# Altium PCB radxa_nx4_io_board_v1.11.PcbDoc (part 10 of 13) (continued)
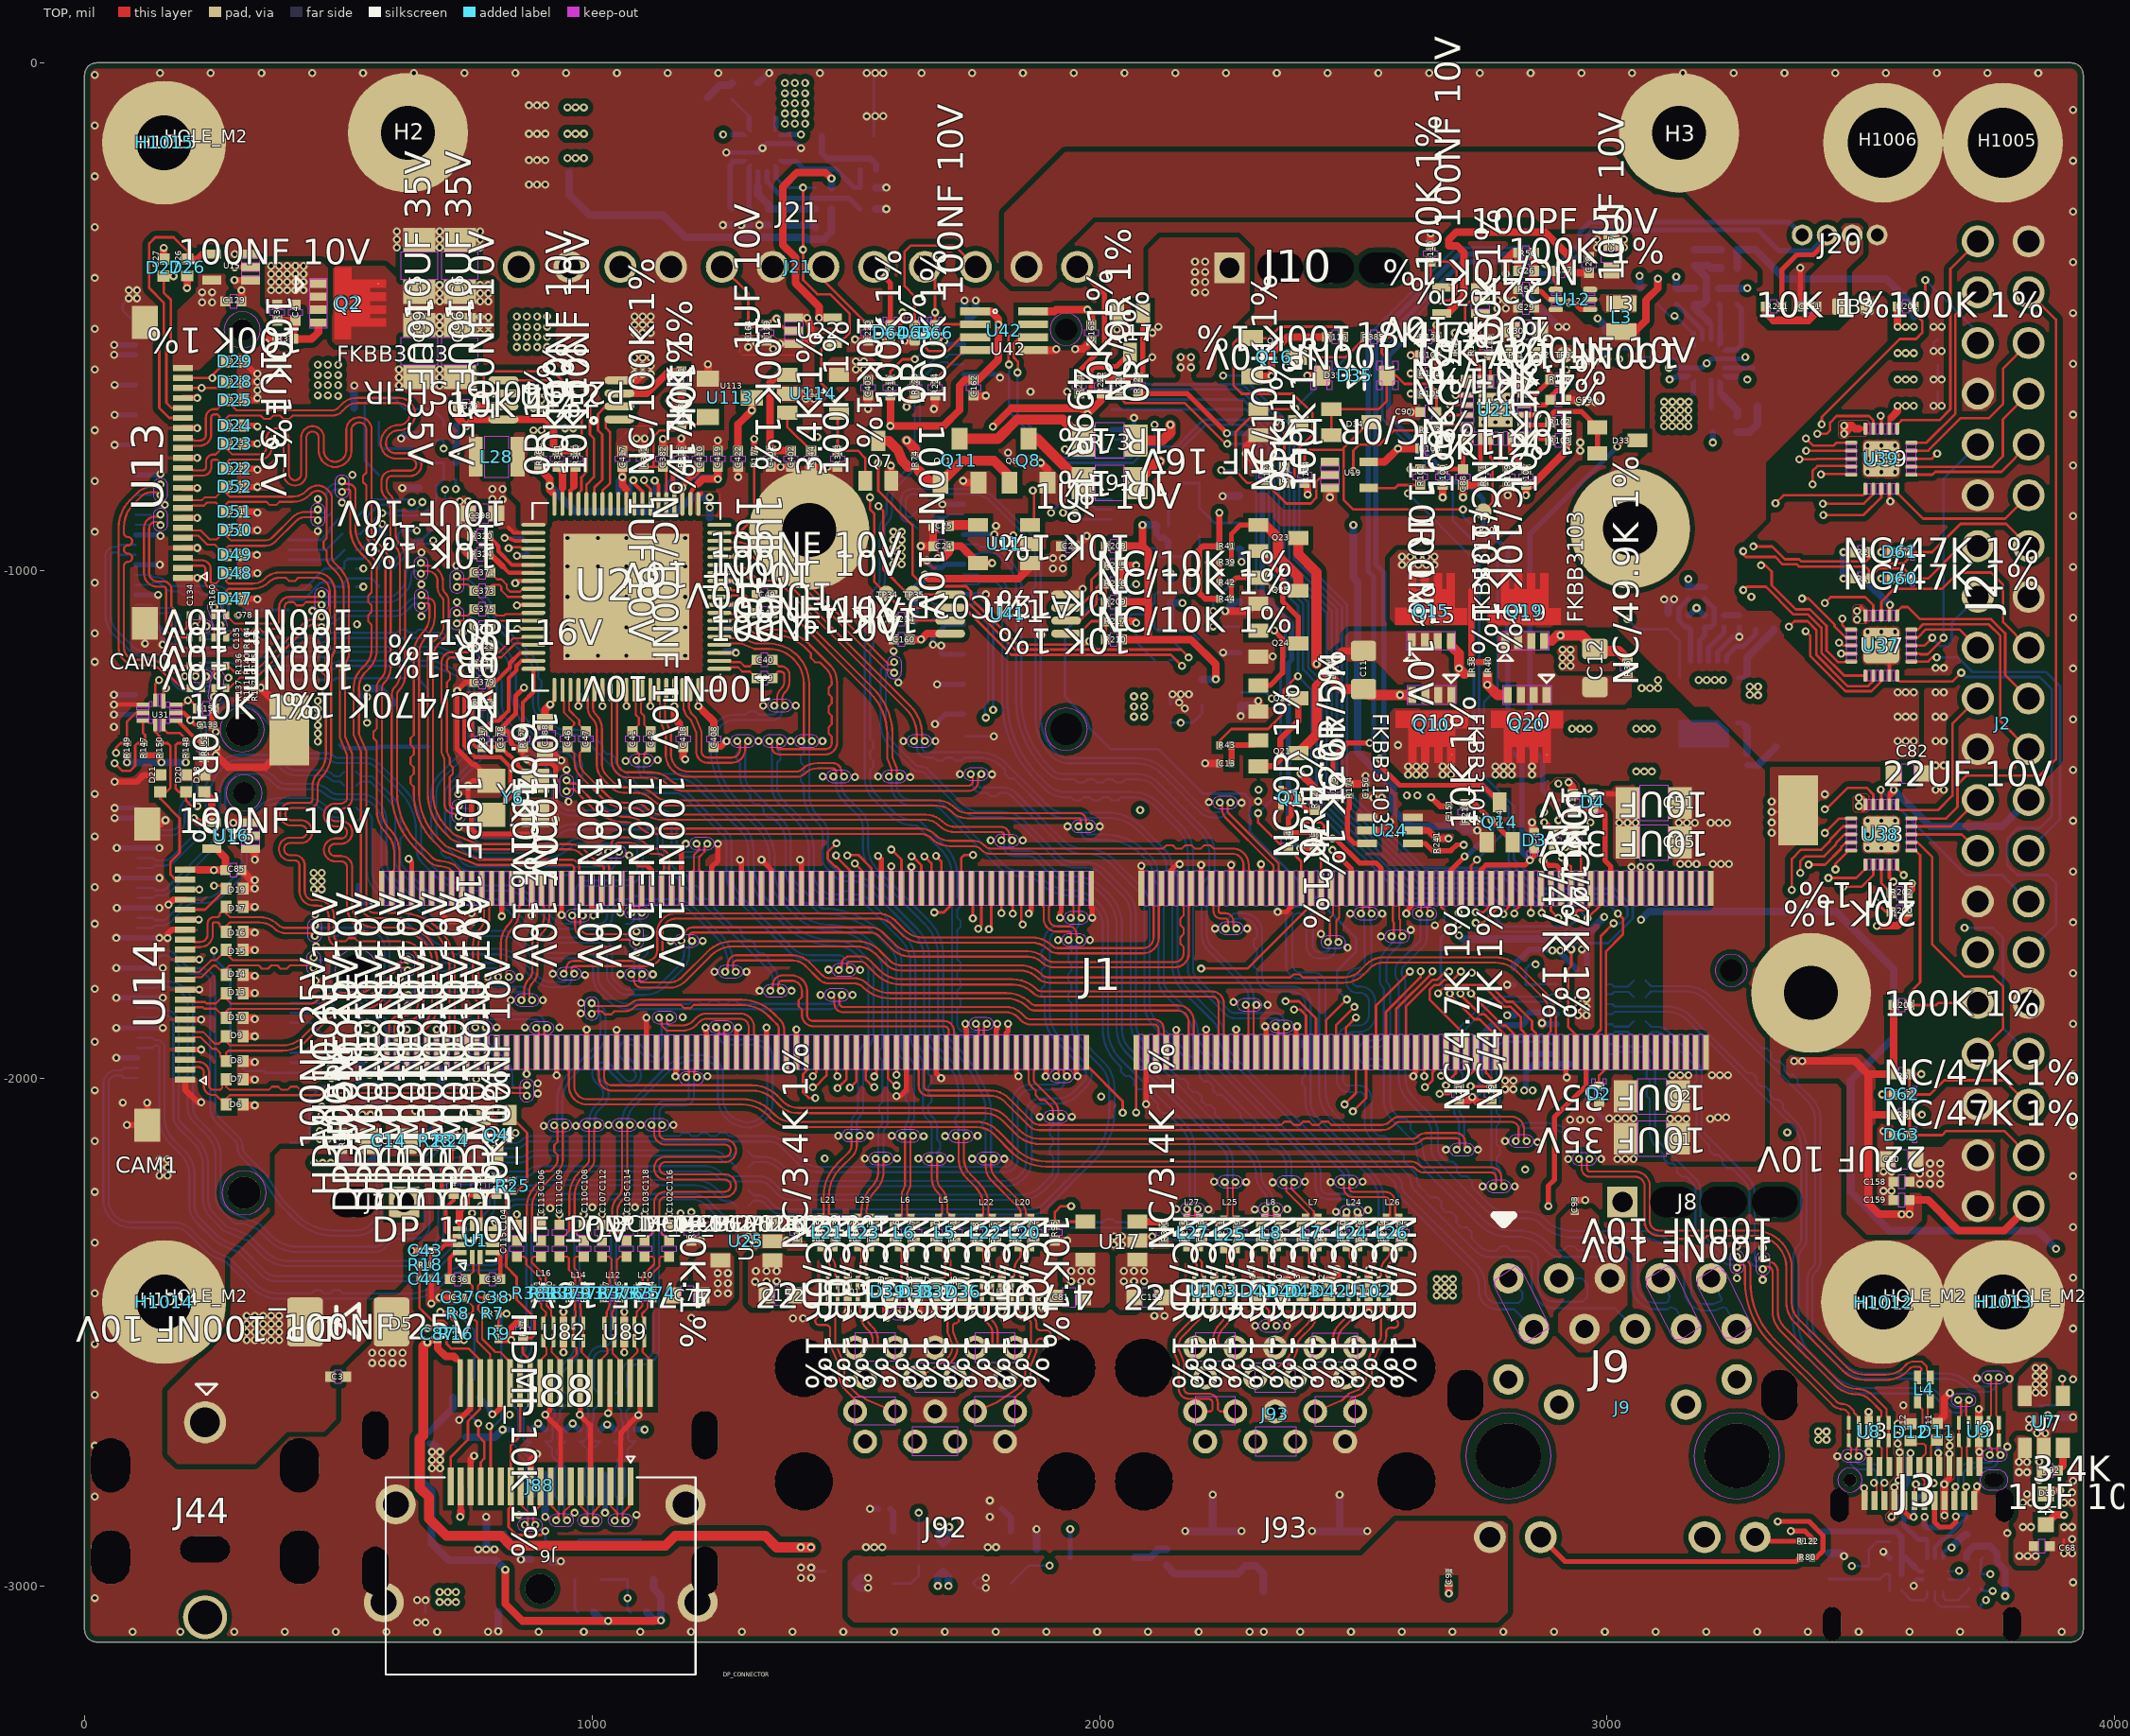
[diagram p0: TOP view]
## Nets (pads, with @x,y where several pads share a name; then routed paths per layer and width w, separated by ;. In a path a pad name is that pad's centre, name@x,y a point inside that pad or via, vN(x,y) a via of type N, cw(c..) or ccw(c..) an arc to the next point about the centre after c; other vN are vias at no path point) (continued)
  ART03 w15: v1(1136,-3068) 1136,-2979.78 1211.89,-2903.89 1251.89,-2903.89 1372,-3024 1448,-3024 1524,-2948 1620,-2948 v1(1684,-2884) v1(1704,-2884)
  BOTTOM w12: 664.25,-2700.25 668.31,-2696.19 R77.1@680,-2696.19 692.19,-2684
  BOTTOM w15: 664.25,-2700.25 658.62,-2705.88 658.62,-2788 684,-2813.38 684,-2916 717.5,-2949.5 810.9,-2949.5 v1(829.4,-2968) U109.4@829.4,-2995.18 ; 692.19,-2684 726.41,-2649.78 Q9.1@726.41,-2628.63 ; R128.1@1003.75,-3052 1020.71,-3068.96 v1(1032,-3068.96) ; R127.2@1107.75,-3052 1123.75,-3068 v1(1136,-3068) 1136,-3020.01 1121.59,-3005.6 Q6.1@1121.59,-2987.37 ; v1(1684,-2884) 1684,-2908.44 C169.1@1692,-2916.44 1704,-2904.44 v1(1704,-2884)
VDD_3V3_SYS: C19.1 C20.1 C21.1 C23.1 C82.1 C83.1 C84.1 C85.1 C91.2 C92.1 C129.1 C133.1 C145.1 C146.1 C147.1 C148.1 C159.1 C162.1 C422.1 J2.1 J2.17 J9.15 J9.17 J10.1 J15.2 J15.4 J15.72 J15.74 L1.2 R1.1 R2.1 R5.1 R6.1 R19.1 R21.1 R28.1 R47.1 R48.1 R54.1 R73.1 R79.1 R84.1 R138.1 R147.1 R148.1 R149.1 R150.1 R161.1 R162.1 R163.1 R170.1 R171.1 R201.1 R203.1 R219.1 R396.1 U2.5 U10.5 U10.9 U10.20 U11.1 U13.22 U14.22 U15.5 U16.5 U30.5 U31.9 U37.17 U38.17 U39.17 U42.1 U108.5 U113.3 | length 8899.7
  TOP w8: U31.9@180.48,-1280 196,-1280 209,-1293 v1(209,-1295) 218,-1304 C133.1@228.19,-1304 ; U38.17@3555.75,-1460.76 3555.75,-1443.28 3559.99,-1439.04 ; U37.17@3555.75,-1088.76 3555.75,-1069.25 v1(3557,-1068) ; U39.17@3555.75,-720.76 3555.75,-703 3560,-698.75
  TOP w12: v1(84,-1378) R149.1@84,-1363.81 ; R147.1@117,-1363.81 R150.1@148,-1363.81 148,-1374 v1(152,-1378) ; U14.22@198.64,-1589.31 223.31,-1589.31 224,-1590 ; v1(200,-1378) R148.1@200,-1363.81
  TOP w15: 224,-1590 v1(255.41,-1590) C85.1@278.25,-1590 278.25,-1566.25 260.08,-1548.08 U16.5@251.32,-1548.08 ; C422.1@1288,-764.25 1288,-712.06 v1(1315.31,-684.75) U113.3@1315.31,-660 ; R219.1@1588,-655.75 v1(1588,-715.5) 1692.68,-715.5 1724,-684.18 1724,-636 1735.75,-624.25 C162.1@1752,-624.25 1761.55,-624.25 1800.82,-584.98 v1(1800.82,-516) 1800.82,-504.61 1785.82,-489.61 U42.1@1754.91,-489.61 ; v1(1655.93,-1008) 1664,-1016.07 1840.51,-1016.07 U11.1@1871.18,-985.4 ; R21.1@2708,-2047.75 2723.27,-2047.75 v1(2733.98,-2037.04) 2744.69,-2047.75 R19.1@2772,-2047.75 ; v1(3368,-1966.25) v1(3384,-1966.25) 3488,-1966.25 3514.12,-1992.37 ; v1(3465.41,-1016) R1.1@3484.25,-1016 ; v1(3465.41,-964) R2.1@3484.25,-964 ; 3559.99,-1439.04 3564.44,-1434.59 v1(3564.44,-1432) C82.1@3564.44,-1400 ; 3560,-698.75 3572,-686.75 v1(3572,-676) ; R6.1@3564.25,-2072 3514.5,-2072 ; R203.1@3564.25,-1856 R5.1@3564.25,-1992 3514.49,-1992 3514.12,-1992.37 ; v1(3572,-520) 3572,-480.25 R201.1@3572.25,-480 ; J2.1@3830,-2252 3782,-2300 3691.99,-2300 3631.99,-2240 C159.1@3595.75,-2240 v1(3595.75,-2268) v1(3580,-2268) 3536,-2268 3514.5,-2246.5 3514.5,-2072 ; 3514.12,-1992.37 3514.5,-1992.75 3514.5,-2072
  TOP w20: R73.1@2071.18,-744 2124.01,-744 2139.65,-728.36 v1(2139.65,-713.16)
  ART03 w15: 1996,-992 2020,-992 2048,-964 2098.59,-964 v1(2139.75,-1005.16) 2163.37,-1028.78 v1(2163.37,-1064) ; J10.1@2256,-404 2300,-360 2588,-360 2622.75,-394.75 2838.75,-394.75 2868,-424 2931.98,-424 3002.78,-494.8 3002.78,-517.22 3000,-520 v1(3000,-583.75) ; v1(2733.98,-2037.04) 2744.94,-2048 2821.71,-2048 2836.71,-2033 v1(2836.71,-2024) 2836.71,-1763.29 2853.59,-1746.41 2890,-1746.41 v1(2892,-1748.41) v1(2907.69,-1748.41)
  ART04 w15: v1(252,-472) 260,-480 329.29,-480 391,-541.71 391,-1036.96 250.18,-1177.78 155.22,-1177.78 126.03,-1206.97 126.03,-1241.59 147.94,-1263.5 177.5,-1263.5 v1(209,-1295) 209,-1369 v1(200,-1378) 255.41,-1433.41 v1(255.41,-1590) ; v1(1315.31,-684.75) 1356.74,-684.75 1387.49,-715.5 v1(1588,-715.5) ; v1(1544,-3004) v1(1544,-2984) ; v1(1800.82,-516) 1836.49,-516 1906.99,-586.5 2097.5,-586.5 v1(2104,-580) ; v1(3465.41,-964) 3491.5,-937.91 3491.5,-696.5 3516,-672 3568,-672 v1(3572,-676)
  BOTTOM w5: v1(1776,-3004) 1759.42,-3004 U108.5@1750.6,-2995.18 1761.78,-2984 v1(1776,-2984)
  BOTTOM w8: 3606.94,-2964 3613.93,-2970.99 U2.5@3620.41,-2970.99
  BOTTOM w12: v1(2733.98,-2037.04) 2737.92,-2037.04 2750.91,-2024.05 2750.91,-1917.08 2771.99,-1896 2832.01,-1896 2839.81,-1888.2 C84.1@2839.81,-1876 2845.13,-1870.68 2876.68,-1870.68 2880,-1874 U10.5@2900.94,-1874 ; R138.1@2816.19,-1784 2816.19,-1776.85 2846.63,-1746.41 2890,-1746.41 v1(2892,-1748.41) ; v1(2836.71,-2024) 2839.81,-2020.9 C83.1@2839.81,-1988 2855.39,-1972.42 U10.20@2940.31,-1972.42 ; v1(2907.69,-1748.41) 2907.69,-1753.08 2940.31,-1785.7 U10.9@2940.31,-1795.26 ; 3420.48,-2892.98 3568.99,-2892.98 3579.81,-2903.8 R79.1@3579.81,-2912.86 C92.1@3579.81,-2944.86 ; R84.1@3579.81,-2976.86 C92.1@3579.81,-2944.86 ; 3606.94,-2964 3587.8,-2944.86 C92.1@3579.81,-2944.86
  BOTTOM w15: v1(84,-1378) v1(152,-1378) v1(200,-1378) ; v1(1544,-3004) 1527.42,-3004 U30.5@1518.6,-2995.18 1529.78,-2984 v1(1544,-2984) ; R162.1@1636.25,-1100 R161.1@1636.25,-1060 1636.25,-1035.75 1655.93,-1016.07 v1(1655.93,-1008) ; v1(2139.65,-713.16) 2139.75,-713.26 R396.1@2139.75,-736 ; R171.1@2139.75,-1100 R170.1@2139.75,-1064 v1(2163.37,-1064) ; R163.1@2139.75,-1024 v1(2139.75,-1005.16) ; R54.1@2996.25,-564 2996.25,-580 v1(3000,-583.75) ; R48.1@3255.75,-404 R47.1@3255.75,-368 3292,-368 3349.5,-425.5 3549.5,-425.5 3604,-480 3604,-500 ; v1(3465.41,-964) v1(3465.41,-1016) 3505,-1016 v1(3557,-1068) ; v1(3564.44,-1432) 3636.44,-1504 3778,-1504 J2.17@3830,-1452
  other v1: 3416,-2712 3432,-2712 3416,-2696 3432,-2696 2853,-2024 2068,-1288 2088,-1288 2068,-1268 2088,-1268 2068,-1248 2088,-1248 1908,-996 1928,-996 1908,-976 1928,-976 3588,-676 3604,-676 3572,-624 3588,-624 3604,-624 3572,-572 3588,-572 3604,-572 2104,-532 2116,-520 3588,-520 3604,-520 232,-472 232,-452 252,-452 2188,-452 2208,-452 2188,-432 2208,-432 2188,-412 2208,-412 2188,-392 2208,-392
VDD_5V0_HDMI_CON: C86.1 C123.1 C124.1 J6.18 R9.1 R16.1 R17.1 R23.2 U109.1 | length 1189.4
  TOP w12: R23.2@692,-2112.19 692,-2095.28 708.22,-2079.06 v1(759.63,-2079.06) ; R16.1@732,-2515.81 v1(747.81,-2515.81) ; 741.65,-2852 J6.18@741.65,-2804.28 ; R9.1@816,-2515.81 v1(841.16,-2515.81) 841.16,-2490.84 851.75,-2480.25 R17.1@864,-2480.25
  TOP w15: v1(740.52,-2864) 741.65,-2862.87 741.65,-2852
  ART03 w15: v1(747.81,-2515.81) 722.78,-2490.78 722.78,-2434.78 722.5,-2434.5 722.5,-2173 768.5,-2127 768.5,-2087.93 v1(759.63,-2079.06)
  ART04 w20: v1(740.52,-2864) 740.52,-2732.53 704,-2696.01 704,-2559.62 v1(747.81,-2515.81) v1(841.16,-2515.81)
VDD_5V_SYS: C27.1 C28.1 C55.1 C56.1 C57.1 C62.1 C70.1 C74.1 C75.1 C80.1 C81.1 C121.1 C122.1 C150.1 C158.1 C403.2 D30.1 FB3.1 J2.2 J2.4 J21.2 L9.2 Q19.5 R10.1 R57.1 R74.1 R81.1 R82.1 R345.2 U4.8 U7.5 U12.3 U17.5 U20.5 U24.1 U25.5 U109.5 U114.5 | length 1435
  TOP w12: R74.1@1636,-772.19 1636,-764
  TOP w15: U20.5@2673.81,-493.59 2685.19,-493.59 2718.18,-460.6 2718.18,-374.19 2704.24,-360.25 2688,-360.25 2688,-348.2 2702.61,-333.59 2877.58,-333.59 2925.75,-381.76 R57.1@2925.75,-410 2929.5,-413.75 C28.1@2964,-413.75 ; v1(2923.86,-1417.41) 2932,-1425.55 R10.1@2932,-1440.25 ; D30.1@3864,-2879.25 3883.25,-2860 v1(3900,-2860)
  TOP w20: v1(1620,-744) 1636,-760 1636,-764
  ART03 w15: v1(3260,-1130.72) 3320,-1130.72 3362.64,-1173.36 3434.64,-1173.36 3460,-1198.72 3582.72,-1198.72 3604,-1220 v1(3604,-1240) ; v1(3860,-2619) 3891.89,-2650.89 3891.89,-2672.11 3884.5,-2679.5 3884.5,-2715.5 3876.2,-2723.8 3876.2,-2788.21 3868,-2808 3868,-2836 3892,-2860 v1(3900,-2860)
  BOTTOM w10: U4.8@3217.72,-1179.23 3217.72,-1160.7 3247.7,-1130.72 v1(3260,-1130.72) R82.1@3260,-1111.81
  BOTTOM w15: R81.1@3120,-1084.25 3120,-1070 3131.91,-1058.09 v1(3131.91,-1056.83)
  other v1: 700,-3032 716,-3032 732,-3032 700,-3012 716,-3012 732,-3012 3844,-2619 3844,-2603 3860,-2603 3844,-2587 3860,-2587 3844,-2571 3860,-2571 2664,-2428 2680,-2428 2696,-2428 1248,-2424 1268,-2424 2664,-2412 2680,-2412 2696,-2412 1248,-2404 1268,-2404 1944,-2400 1964,-2400 1984,-2400 2664,-2396 2680,-2396 2696,-2396 1248,-2384 1268,-2384 1944,-2380 1964,-2380 1984,-2380 3616,-2208 3636,-2208 3656,-2208 3616,-2188 3636,-2188 3656,-2188 3636,-2168 3656,-2168 2540,-1448 2556,-1448 2904,-1420 3572,-1336 3588,-1336 3604,-1336 3572,-1288 3588,-1288 3604,-1288 3572,-1240 3588,-1240 3112,-1057 1520,-604 1536,-604 1520,-588 1536,-588
VDD_CVB: C7.1 C8.1 C15.2 C17.1 C53.1 C54.1 C59.1 C60.1 C61.1 C94.2 C97.1 C98.1 FB1.2 R46.1 R78.1 R83.1 R118.1 U3.2 U3.3 U3.4 U4.1 U6.2 U6.3 U6.4 | length 980.9
  ART03 w15: v1(3088,-1396) 3124,-1396 3140,-1380 3140,-1096.29 3160,-1048 v1(3160,-1017)
  ART04 w15: v1(2981.28,-503.71) 3055.71,-503.71 3100,-548 3100,-655.64 v1(3112.36,-668)
  BOTTOM w10: 3204.86,-679.14 U3.2@3204.86,-639.24 U3.2@3204.86,-624.86
  BOTTOM w12: C17.1@1452.82,-144 C17.1@1452.82,-145 1452.82,-177.98 1464,-189.16 1549.16,-189.16 1559.75,-199.75 R118.1@1559.75,-211 ; R83.1@3160,-1032.19 R78.1@3192,-1032.19
  BOTTOM w15: v1(2981.28,-503.71) 2996.25,-518.68 R46.1@2996.25,-528 ; R83.1@3160,-1032.19 v1(3160,-1017)
  other v1: 3057,-1396 3073,-1396 3057,-1312 3073,-1312 3088,-1312 3068,-1232 3084,-1232 3100,-1232 3100,-1216 3112,-716 3128,-716 3144,-716 3160,-716 3112,-700 3128,-700 3144,-700 3160,-700 3112,-684 3128,-684 3144,-684 3160,-684 3128.36,-668 3144.36,-668 3160.36,-668 852,-560 872,-560 892,-560 912,-560 852,-540 872,-540 892,-540 912,-540 852,-520 872,-520 892,-520 912,-520 852,-500 872,-500 892,-500 912,-500 1380,-120 1400,-120 1420,-120 1380,-100 1400,-100 1420,-100 1380,-80 1400,-80 1420,-80 1380,-60 1400,-60 1420,-60 1380,-40 1400,-40 1420,-40
VDD_CVM: C1.1 C2.1 C51.1 C65.1 J1.251 J1.252 J1.253 J1.254 J1.255 J1.256 J1.257 J1.258 J1.259 J1.260 Q10.5 Q20.5 R114.1 | length 592.5
  TOP w15: R114.1@2404,-827.75 2410.02,-833.77 v1(2410.02,-850.59)
  ART03 w15: v1(2410.02,-850.59) 2410.02,-1092 2568,-1249.98 2568,-1324 v1(2588,-1344)
  other v1: 3124,-2080 3140,-2080 3156,-2080 3203,-2080 3218.42,-2077 3234.42,-2077 3128,-1994 3144,-1994 3160,-1994 3206,-1994 3222,-1994 3238,-1994 3144,-1578 3160,-1578 3176,-1578 3208,-1578 3224,-1578 3240,-1578 3141,-1497 3157,-1497 3173,-1497 3204,-1497 3220,-1497 3236,-1497 2608,-1402 2624,-1402 2640,-1402 2676,-1402 2692,-1402 2780,-1402 2796,-1402 2812,-1402 2852,-1402 2608,-1386 2624,-1386 2640,-1386 2676,-1386 2692,-1386 2780,-1386 2796,-1386 2812,-1386 2852,-1386
VDD_DCIN: C5.1 C6.1 C96.1 C99.1 FB1.1 FB2.1 Q2.5 Q16.2 R116.2 | length 1883.3
  TOP w15: Q16.2@2300.69,-617.4 v1(2338.76,-617.4) 2338.76,-572.04 2370.8,-540 R116.2@2448.25,-540
  ART04 w15: v1(780,-438) v1(796,-438) 810,-438 837.5,-465.5 1111.92,-465.5 1136.92,-490.5 1320.09,-490.5 1356.48,-526.89 1385.67,-526.89 1403.39,-544.61 1482.11,-544.61 1504,-566.5 1552.08,-566.5 1606.83,-621.25 1687.03,-621.25 1700.03,-634.25 1787.49,-634.25 1823.74,-670.5 2285.66,-670.5 v1(2338.76,-617.4)
  other v1: 700,-533 780,-533 796,-533 700,-517 780,-517 796,-517 700,-501 780,-501 796,-501 700,-470 780,-470 796,-470 700,-454 780,-454 796,-454 700,-438
VDD_HV: C9.1 C10.1 FB2.2 Q15.5 R38.1 R40.1 | length 172.2
  TOP w12: 2732,-1040 R38.1@2732,-1180.19 R40.1@2764,-1180.19
  other v1: 2595.91,-989 2611.91,-989 2627.91,-989 2643.91,-989 2659.91,-989 1594,-987.91 1610,-987.91 2595.91,-973 2611.91,-973 2627.91,-973 2643.91,-973 2659.91,-973 1594,-971.91 1610,-971.91 1594,-955.91 1610,-955.91 1594,-939.91 1610,-939.91 1594,-923.91 1610,-923.91 947,-720 963,-720 885,-680 901,-680 917,-680 885,-664 901,-664 917,-664 885,-648 901,-648 917,-648
VDD_USB_VBUSTYPEA: C152.1 J92.1 J92.10 U25.1
  other v1: 1321.87,-2400.82 1344,-2400 1364,-2400 1323,-2379.85 1344,-2380 1364,-2380
VDD_USB_VBUSTYPEB: C153.1 J93.1 J93.10 U17.1
  other v1: 2048,-2400 2068,-2400 2088,-2400 2048,-2380 2068,-2380 2088,-2380
VIN_PWR_ON: Q22.1 Q24.1 R45.1 | length 1025.9
  TOP w10: Q22.1@2312.63,-1226.41 2335.91,-1226.41 2360.68,-1201.64 2360.68,-1135.09 v1(2344,-1118.41) Q24.1@2312.63,-1118.41 ; R45.1@2700,-548.19 v1(2700,-532)
  ART03 w15: v1(2344,-1118.41) 2388.52,-1073.89 2388.52,-841.68 2412,-818.2 2412,-656 2530.25,-537.75 2694.25,-537.75 v1(2700,-532)
W_DISABLE1_CTRL: J1.128 Q13.1 | length 911.6
  TOP w5: J1.128@1826.17,-1626.09 1826.17,-1658.56 1828.96,-1661.35 v1(1828.96,-1676)
  ART03 w5: v1(1828.96,-1676) 1828.96,-1624.13 1887.46,-1565.63 2023.87,-1565.63 2106.51,-1482.99 2106.51,-1390.99 2212.5,-1285 2212.5,-1121.91 v1(2224,-1110.41)
  BOTTOM w5: v1(2224,-1110.41) Q13.1@2275.37,-1110.41
W_DISABLE1_CTRL_B: J15.56 Q13.3 R171.2 | length 204.6
  BOTTOM w5: J15.56@2023.74,-1096.19 2052.28,-1096.19 2061.97,-1086.5 2094.75,-1086.5 R171.2@2108.25,-1100 2108.25,-1112.25 2116,-1120 2180.63,-1120 Q13.3@2196.63,-1136
W_DISABLE2: J15.54 Q12.3 R170.2 | length 198.4
  BOTTOM w5: J15.54@2023.74,-1076.5 2095.75,-1076.5 R170.2@2108.25,-1064 2108.25,-1049.09 2115,-1042.34 2163.1,-1042.34 2169.44,-1036 Q12.3@2196.63,-1036
pads on no net: J1. J1.51 J1.53 J1.57 J1.59 J1.70 J1.72 J1.76 J1.78 J1.82 J1.84 J1.88 J1.90 J1.92 J3.H5 J3.H6 J5. J5.5 J5.6 J5.7 J5.8 J5.10 J5.11 J5.13 J5.17 J5.19 J5.20 J5.22 J5.23 J5.24 J5.25 J5.26 J5.28 J5.30 J5.32 J5.34 J5.36 J5.38 J5.46 J5.48 J5.56 J5.58 J5.67 J5.69 J6.14 J9. J14. J14.6 J14.8 J14.10 J14.20 J14.22 J14.24 J14.26 J14.28 J14.30 J14.32 J14.34 J14.36 J14.38 J14.46 J14.48 J14.56 J14.58 J14.67 J14.69 J15. J15.6 J15.9 J15.11 J15.13 J15.15 J15.16 J15.17 J15.19 J15.21 J15.23 J15.38 J15.40 J15.44 J15.46 J15.48 J15.59 J15.61 J15.64 J15.65 J15.66 J15.67 J15.68 J15.70 J15.71 J15.73 J44.3 J88. U5.1 U6.7 U19.1 U21.7 U21.8 U28.19 U28.28 U28.30 U28.31

## Polygon pours and split planes (outlines as drawn)
VDD_5V_SYS on ART03 "ART03-VDD_5V_SYS" (solid, remove dead copper, pour order 138): 50 vertices, not listed, extent 2648,-2640 3904,-1228
VDD_3V3_SYS on ART03 "ART03-VDD_3V3_SYS" (solid, remove dead copper, pour order 89): 18 vertices, not listed, extent 2708,-2064 2916,-1724
N8251288 on ART03 "ART03-N8251288" (solid, remove dead copper, pour order 139): 26 vertices, not listed, extent 32,-2728 584,-280
GND on ART03 "ART03-GND" (solid, remove dead copper, pour order 30): 3576,-1488 3572,-1484 3508,-1484 3504,-1488 3504,-1552 3508,-1556 3572,-1556 3576,-1552
3V3_AO on ART03 "ART03-3V3_AO" (solid, remove dead copper, pour order 104): 21 vertices, not listed, extent 2572,-864 2932,-512
GND on ART03 "ART03-GND 1" (solid, remove dead copper, pour order 131): 38 vertices, not listed, extent 2420,-2168 3068,-1484
VDD_CVM on ART03 "ART03-VDD_CVM" (solid, remove dead copper, pour order 134): 27 vertices, not listed, extent 2596,-2088 3320,-1276
GND on ART03 "ART03-GND 2" (solid, remove dead copper, pour order 136): 33 vertices, not listed, extent 2336,-1260 3120,-448
VDD_5V_SYS on ART03 "ART03-VDD_5V_SYS 1" (solid, remove dead copper, pour order 114): 21 vertices, not listed, extent 1488,-764 1912,-372
VDD_1V8 on ART03 "ART03-VDD_1V8" (solid, remove dead copper, pour order 110): 29 vertices, not listed, extent 3160,-1476 3504,-1000
VDD_HV on ART03 "ART03-VDD_HV" (solid, remove dead copper, pour order 122): 22 vertices, not listed, extent 848,-1048 1620,-640
VDD_CVB on ART03 "ART03-VDD_CVB" (solid, remove dead copper, pour order 141): 49 vertices, not listed, extent 844,-1412 3356,-32
GND on ART03 "ART03-GND 3" (solid, remove dead copper, pour order 93): 1896,-1344 1896,-1528 1900,-1532 2036,-1532 2092,-1476 2092,-1380 2192,-1280 2192,-1236 2188,-1232 2144,-1232 2136,-1240 2136,-1280 2096,-1320 1920,-1320
GND on ART03 "ART03-GND 4" (solid, remove dead copper, pour order 147): 24.35,-3098.45 cw(c24.35,-3086.84) 12.74,-3086.84 12.74,-23.85 cw(c24.35,-23.85) 24.35,-12.24 3914.12,-12.24 cw(c3914.12,-23.85) 3925.73,-23.85 3925.73,-3086.84 cw(c3914.12,-3086.84) 3914.12,-3098.45
VDD_3V3_SYS on ART03 "ART03-VDD_3V3_SYS 1" (solid, remove dead copper, pour order 125): 25 vertices, not listed, extent 1896,-1308 2316,-372
GND on ART03 "ART03-GND 5" (solid, remove dead copper, pour order 118): 24 vertices, not listed, extent 3172,-1932 3516,-1208
MKEY_3V3 on ART03 "ART03-MKEY_3V3" (solid, remove dead copper, pour order 135): 25 vertices, not listed, extent 428,-1636 1016,-44
GND on ART03 "ART03-GND 6" (solid, remove dead copper, pour order 132): 57 vertices, not listed, extent 1212,-1436 2088,-472
VDD_3V3_SYS on BOTTOM "BOTTOM-VDD_3V3_SYS" (solid, remove dead copper, pour order 55): 1992,-1248 2056,-1248 2060,-1244 2060,-1204 2064,-1200 2108,-1200 2112,-1204 2112,-1244 2118.14,-1250.14 2118.14,-1309.86 2112,-1316 1992,-1316 1984,-1308 1984,-1256
VDD_3V3_SYS on BOTTOM "BOTTOM-VDD_3V3_SYS 1" (solid, remove dead copper, pour order 9): 1500,-2972 1552,-2972 1556,-2976 1556,-3016 1552,-3020 1500,-3020 1496,-3016 1496,-2976
VDD_5V_SYS on BOTTOM "BOTTOM-VDD_5V_SYS" (solid, remove dead copper, pour order 96): 1252,-908 1252,-700 1380,-572 1540,-572 1548,-580 1548,-628 1540,-636 1508,-636 1344,-800 1344,-840 1272,-912 1256,-912
VDD_3V3_SYS on BOTTOM "BOTTOM-VDD_3V3_SYS 2" (solid, remove dead copper, pour order 99): 17 vertices, not listed, extent 3152,-2976 3456,-2680
VDD_CVB on BOTTOM "BOTTOM-VDD_CVB" (solid, remove dead copper, pour order 92): 3248,-1388 3248,-1444 3220,-1472 3044,-1472 3039.58,-1467.58 3039.58,-1156.42 3044,-1152 3092,-1152 3096,-1156 3096,-1196 3116,-1216 3116,-1288 3124,-1296 3220,-1296 3248,-1324
GND on BOTTOM "BOTTOM-GND" (solid, remove dead copper, pour order 62): 72,-2152 168,-2152 196,-2180 196,-2256 188,-2264 88,-2264 84,-2260 84,-2224 64,-2204 64,-2160
VDD_3V3_DP on BOTTOM "BOTTOM-VDD_3V3_DP" (solid, remove dead copper, pour order 42): 1536,-2876 1536,-2908 1512,-2932 1432,-2932 1404,-2932 1392,-2920 1392,-2880 1404,-2868 1440,-2868 1528,-2868
GND on BOTTOM "BOTTOM-GND 1" (solid, remove dead copper, pour order 23): 2128,-588 2128,-608 2136,-616 2184,-616 2188,-612 2188,-540 2180,-532 2140,-532 2136,-536 2136,-580
N9919258 on BOTTOM "BOTTOM-N9919258" (solid, remove dead copper, pour order 46): 21 vertices, not listed, extent 3017.86,-572 3165.49,-465.86
VDD_3V3_SYS on BOTTOM "BOTTOM-VDD_3V3_SYS 3" (solid, remove dead copper, pour order 94): 19 vertices, not listed, extent 1988,-612 2296,-344
GND on BOTTOM "BOTTOM-GND 2" (solid, remove dead copper, pour order 20): 532,-1228 532,-1260 536,-1264 536,-1344 540,-1348 564,-1348 568,-1344 568,-1228 564,-1224 536,-1224
MKEY_3V3 on BOTTOM "BOTTOM-MKEY_3V3" (solid, remove dead copper, pour order 81): 360,-728 504,-728 508,-724 508,-692 512,-688 512,-672 508,-668 508,-568 500,-560 360,-560 356,-564 356,-724
GND on BOTTOM "BOTTOM-GND 3" (solid, remove dead copper, pour order 14): 1532,-2928 1532,-2920 1540,-2912 1540,-2840 1544,-2836 1568,-2836 1572,-2840 1572,-2912 1580,-2920 1580,-2928 1576,-2932 1536,-2932
VDD_3V3_HDMI on BOTTOM "BOTTOM-VDD_3V3_HDMI" (solid, remove dead copper, pour order 34): 1672,-2928 1672,-2876 1680,-2868 1760,-2868 1768,-2876 1768,-2928 1760,-2936 1680,-2936
VDD_3V3_SYS on BOTTOM "BOTTOM-VDD_3V3_SYS 4" (solid, remove dead copper, pour order 82): 3484,-684 3608,-684 3612,-680 3612,-492 3604,-484 3484,-484 3480,-488 3480,-680
GND on BOTTOM "BOTTOM-GND 4" (solid, remove dead copper, pour order 7): 1672,-2956 1712,-2956 1716,-2960 1716,-3008 1712,-3012 1672,-3012 1668,-3008 1668,-2960
GND on BOTTOM "BOTTOM-GND 5" (solid, remove dead copper, pour order 40): 19 vertices, not listed, extent 3124,-1264 3308,-1208
VDD_5V_SYS on BOTTOM "BOTTOM-VDD_5V_SYS 1" (solid, remove dead copper, pour order 2): 3128,-1096 3104,-1096 3100,-1092 3100,-1052 3108,-1044 3136,-1044 3140,-1048 3140,-1064 3132,-1072 3132,-1092
VDD_5V_SYS on BOTTOM "BOTTOM-VDD_5V_SYS 2" (solid, remove dead copper, pour order 28): 3788,-2636 3788,-2608 3836,-2560 3864,-2560 3868,-2564 3868,-2624 3864,-2628 3844,-2628 3832,-2640 3792,-2640
MKEY_3V3 on BOTTOM "BOTTOM-MKEY_3V3 1" (solid, remove dead copper, pour order 83): 940,-240 940,-72 948,-64 1064,-64 1072,-72 1072,-268 1064,-276 1000,-276 972,-248 948,-248
GND on BOTTOM "BOTTOM-GND 6" (solid, remove dead copper, pour order 32): 572,-2148 572,-2108 584,-2096 584,-2036 580,-2032 536,-2032 532,-2036 532,-2148 536,-2152 568,-2152
GND on BOTTOM "BOTTOM-GND 7" (solid, remove dead copper, pour order 10): 1772,-2928 1772,-2828 1776,-2824 1788,-2824 1792,-2828 1792,-2860 1804,-2872 1804,-2928 1800,-2932 1776,-2932
GND on BOTTOM "BOTTOM-GND 8" (solid, remove dead copper, pour order 53): 916,-76 916,-232 916,-244 912,-248 856,-248 852,-244 852,-232 852,-76 856,-72 912,-72
VDD_5V0_HDMI_CON on BOTTOM "BOTTOM-VDD_5V0_HDMI_CON" (solid, remove dead copper, pour order 38): 848,-2800 792,-2800 784,-2808 736,-2808 728,-2816 728,-2908 736,-2916 764,-2916 772,-2908 772,-2868 772,-2860 784,-2848 828,-2848 852,-2824 852,-2804
MKEY_3V3 on BOTTOM "BOTTOM-MKEY_3V3 2" (solid, remove dead copper, pour order 78): 368,-1472 448,-1472 468,-1492 520,-1544 520,-1600 520,-1632 512,-1640 364,-1640 356,-1632 356,-1484
VDD_CVB on BOTTOM "BOTTOM-VDD_CVB 1" (solid, remove dead copper, pour order 69): 840,-628 972,-628 972,-480 968,-476 840,-476 836,-480 836,-624
GND on BOTTOM "BOTTOM-GND 9" (solid, remove dead copper, pour order 95): 43 vertices, not listed, extent 1568,-1352 1844,-920
GND on BOTTOM "BOTTOM-GND 10" (solid, remove dead copper, pour order 47): 792,-2792 848,-2792 852,-2788 852,-2752 836,-2736 752,-2736 728,-2712 684,-2712 672,-2724 672,-2768 688,-2784 784,-2784
GND on BOTTOM "BOTTOM-GND 11" (solid, remove dead copper, pour order 87): 140,-2008 64,-2008 52,-2020 52,-2252 80,-2280 192,-2280 204,-2268 204,-2164 144,-2104 144,-2012
GND on BOTTOM "BOTTOM-GND 12" (solid, remove dead copper, pour order 145): 24.35,-3098.45 cw(c24.35,-3086.84) 12.74,-3086.84 12.74,-23.85 cw(c24.35,-23.85) 24.35,-12.24 3914.12,-12.24 cw(c3914.12,-23.85) 3925.73,-23.85 3925.73,-3086.84 cw(c3914.12,-3086.84) 3914.12,-3098.45
MKEY_3V3 on BOTTOM "BOTTOM-MKEY_3V3 3" (solid, remove dead copper, pour order 61): 17 vertices, not listed, extent 364,-1348 520,-1224
GND on BOTTOM "BOTTOM-GND 13" (solid, remove dead copper, pour order 75): 3672,-1188 3672,-1264 3708,-1300 3772,-1300 3784,-1312 3784,-1396 3772,-1408 3700,-1408 3672,-1436 3668,-1440 3640,-1440 3636,-1436 3636,-1188 3640,-1184 3668,-1184
VDD_5V_SYS on BOTTOM "BOTTOM-VDD_5V_SYS 3" (solid, remove dead copper, pour order 85): 3480,-1156 3480,-1356 3508,-1384 3604,-1384 3612,-1376 3612,-1152 3608,-1148 3488,-1148
USBC_VBUS on BOTTOM "BOTTOM-USBC_VBUS" (solid, remove dead copper, pour order 51): 20 vertices, not listed, extent 3796,-2988 3852,-2748
N9951222 on BOTTOM "BOTTOM-N9951222" (solid, remove dead copper, pour order 74): 1304,-164 1256,-164 1248,-172 1248,-260 1240,-268 1164,-268 1156,-260 1156,-68 1164,-60 1228,-60 1308,-140 1308,-160
VDD_CVB on BOTTOM "BOTTOM-VDD_CVB 2" (solid, remove dead copper, pour order 71): 19 vertices, not listed, extent 3040,-744 3220,-592
VDD_DCIN on BOTTOM "BOTTOM-VDD_DCIN" (solid, remove dead copper, pour order 88): 804,-708 804,-440 796,-432 684,-432 676,-440 676,-560 676,-656 716,-696 752,-696 768,-712 800,-712
VDD_5V_SYS on BOTTOM "BOTTOM-VDD_5V_SYS 4" (solid, remove dead copper, pour order 39): 776,-2980 776,-3068 772,-3072 704,-3072 692,-3060 692,-2984 704,-2972 768,-2972
VDD_5V_SYS on BOTTOM "BOTTOM-VDD_5V_SYS 5" (solid, remove dead copper, pour order 127): 1244,-2340 2676,-2340 2704,-2368 2704,-2488 2700,-2492 1240,-2492 1224,-2476 1224,-2360
VDD_1V8 on BOTTOM "BOTTOM-VDD_1V8" (solid, remove dead copper, pour order 103): 19 vertices, not listed, extent 2860,-1588 3508,-1420
VDD_HV on BOTTOM "BOTTOM-VDD_HV" (solid, remove dead copper, pour order 70): 844,-640 964,-640 972,-648 972,-792 968,-796 840,-796 836,-792 836,-648
VDD_3V3_SYS on BOTTOM "BOTTOM-VDD_3V3_SYS 5" (solid, remove dead copper, pour order 6): 1740,-2972 1784,-2972 1788,-2976 1788,-3016 1784,-3020 1740,-3020 1736,-3016 1736,-2976
GND on BOTTOM "BOTTOM-GND 14" (solid, remove dead copper, pour order 112): 32 vertices, not listed, extent 2788,-2292 3068,-1940
N9901948 on BOTTOM "BOTTOM-N9901948" (solid, remove dead copper, pour order 76): 20 vertices, not listed, extent 3122,-1356 3396,-1144
GND on BOTTOM "BOTTOM-GND 15" (solid, remove dead copper, pour order 19): 2136,-1204 2136,-1244 2128,-1252 2128,-1276 2132,-1280 2172,-1280 2184,-1268 2184,-1204 2180,-1200 2140,-1200
MKEY_3V3 on BOTTOM "BOTTOM-MKEY_3V3 4" (solid, remove dead copper, pour order 63): 17 vertices, not listed, extent 368,-2192 524,-2028
N9919192 on BOTTOM "BOTTOM-N9919192" (solid, remove dead copper, pour order 77): 3228,-592 3280,-592 3288,-584 3288,-492 3292,-488 3388,-488 3392,-492 3392,-680 3384,-688 3292,-688 3224,-620 3224,-596
VDD_CVB on BOTTOM "BOTTOM-VDD_CVB 3" (solid, remove dead copper, pour order 66): 19 vertices, not listed, extent 1308,-180 1480,-32
GND on BOTTOM "BOTTOM-GND 16" (solid, remove dead copper, pour order 120): 48 vertices, not listed, extent 2584,-872 3184,-340
HUB_3V3 on ART04 "ART04-HUB_3V3" (solid, remove dead copper, pour order 117): 71 vertices, not listed, extent 732,-1360 1356,-732
USBC_VBUS on ART04 "ART04-USBC_VBUS" (solid, remove dead copper, pour order 113): 3548,-2868 3548,-2812 3556,-2804 3556,-2700 3564,-2692 3792,-2692 3812,-2692 3840,-2720 3840,-2800 3864,-2824 3864,-2940 3840,-2964 3604,-2964 3548,-2908
VDD_USB_VBUSTYPEB on ART04 "ART04-VDD_USB_VBUSTYPEB" (solid, remove dead copper, pour order 108): 25 vertices, not listed, extent 2004,-2764 2240,-2368
GND on ART04 "ART04-GND" (solid, remove dead copper, pour order 67): 21 vertices, not listed, extent 1508,-656 1944,-528
GND on ART04 "ART04-GND 1" (solid, remove dead copper, pour order 146): 24.35,-3098.45 cw(c24.35,-3086.84) 12.74,-3086.84 12.74,-23.85 cw(c24.35,-23.85) 24.35,-12.24 3914.12,-12.24 cw(c3914.12,-23.85) 3925.73,-23.85 3925.73,-3086.84 cw(c3914.12,-3086.84) 3914.12,-3098.45
VDD_5V_SYS on ART04 "ART04-VDD_5V_SYS" (solid, remove dead copper, pour order 106): 29 vertices, not listed, extent 2520,-1528 3144,-1044
VDD_3V3_SYS on ART04 "ART04-VDD_3V3_SYS" (solid, remove dead copper, pour order 98): 21 vertices, not listed, extent 2828,-2060 3404,-1912
MKEY_3V3 on ART04 "ART04-MKEY_3V3" (solid, remove dead copper, pour order 119): 19 vertices, not listed, extent 312,-2176 608,-1584
GND on ART04 "ART04-GND 2" (solid, remove dead copper, pour order 33): 3508,-1480 3568,-1480 3580,-1492 3580,-1548 3568,-1560 3508,-1560 3500,-1552 3500,-1488
GND on ART04 "ART04-GND 3" (solid, remove dead copper, pour order 107): 1188,-1176 948,-1176 944,-1172 944,-928 948,-924 1184,-924 1192,-932 1192,-1172
VDD_USB_VBUSTYPEA on ART04 "ART04-VDD_USB_VBUSTYPEA" (solid, remove dead copper, pour order 111): 28 vertices, not listed, extent 1312,-2784 1576,-2372
GND on ART04 "ART04-GND 4" (solid, remove dead copper, pour order 115): 19 vertices, not listed, extent 2656,-792 2984,-452
VDD_HV on ART04 "ART04-VDD_HV" (solid, remove dead copper, pour order 133): 31 vertices, not listed, extent 1468,-1284 2684,-904
GND on ART04 "ART04-GND 5" (solid, remove dead copper, pour order 102): 23 vertices, not listed, extent 3500,-1440 3672,-744
GND on ART04 "ART04-GND 6" (solid, remove dead copper, pour order 86): 3024,-1960 2984,-1960 2968,-1944 2880,-1944 2860,-1924 2860,-1852 2892,-1820 2964,-1820 2988,-1796 3096,-1796 3104,-1804 3104,-1912 3084,-1932 3052,-1932
GND on ART04 "ART04-GND 7" (solid, remove dead copper, pour order 109): 3188,-1264 3248,-1264 3272,-1240 3272,-1228 3280,-1220 3348,-1220 3392,-1264 3440,-1312 3440,-1444 3348,-1536 3304,-1536 3240,-1472 3188,-1472 3168,-1452 3168,-1284
VDD_1V8 on ART04 "ART04-VDD_1V8" (solid, remove dead copper, pour order 48): 2876,-1464 2752,-1464 2732,-1484 2732,-1524 2744,-1536 2868,-1536 2888,-1516 2888,-1476
HUB_1V1 on ART04 "ART04-HUB_1V1" (solid, remove dead copper, pour order 116): 63 vertices, not listed, extent 792,-1284 1300,-828
VDD_3V3_SYS on ART04 "ART04-VDD_3V3_SYS 1" (solid, remove dead copper, pour order 130): 2664,-2916 2736,-2844 3224,-2844 3244,-2864 3244,-3028 3208,-3064 2688,-3064 1508,-3064 1492,-3048 1492,-2964 1524,-2932 2648,-2932

## Text inside footprints (layer, text, board x,y; h text height)
H1012: PIN_NUMBER "1" at 3533.31,-2440.94 h25; Top Overlay "HOLE_M2" at 3543.31,-2440.94 h25; ASSEMBLY_TOP "HOLE_M2" at 3543.31,-2440.94 h25
H1013: PIN_NUMBER "1" at 3769.53,-2440.94 h25; Top Overlay "HOLE_M2" at 3779.53,-2440.94 h25; ASSEMBLY_TOP "HOLE_M2" at 3779.53,-2440.94 h25
H1014: PIN_NUMBER "1" at 147.48,-2440.94 h25; Top Overlay "HOLE_M2" at 157.48,-2440.94 h25; ASSEMBLY_TOP "HOLE_M2" at 157.48,-2440.94 h25
H1015: PIN_NUMBER "1" at 147.48,-157.48 h25; Top Overlay "HOLE_M2" at 157.48,-157.48 h25; ASSEMBLY_TOP "HOLE_M2" at 157.48,-157.48 h25